# KiCad board Marble.kicad_pcb
note: Michał Gąska & Larry Doolittle; note: Marble Dual FMC Carrier
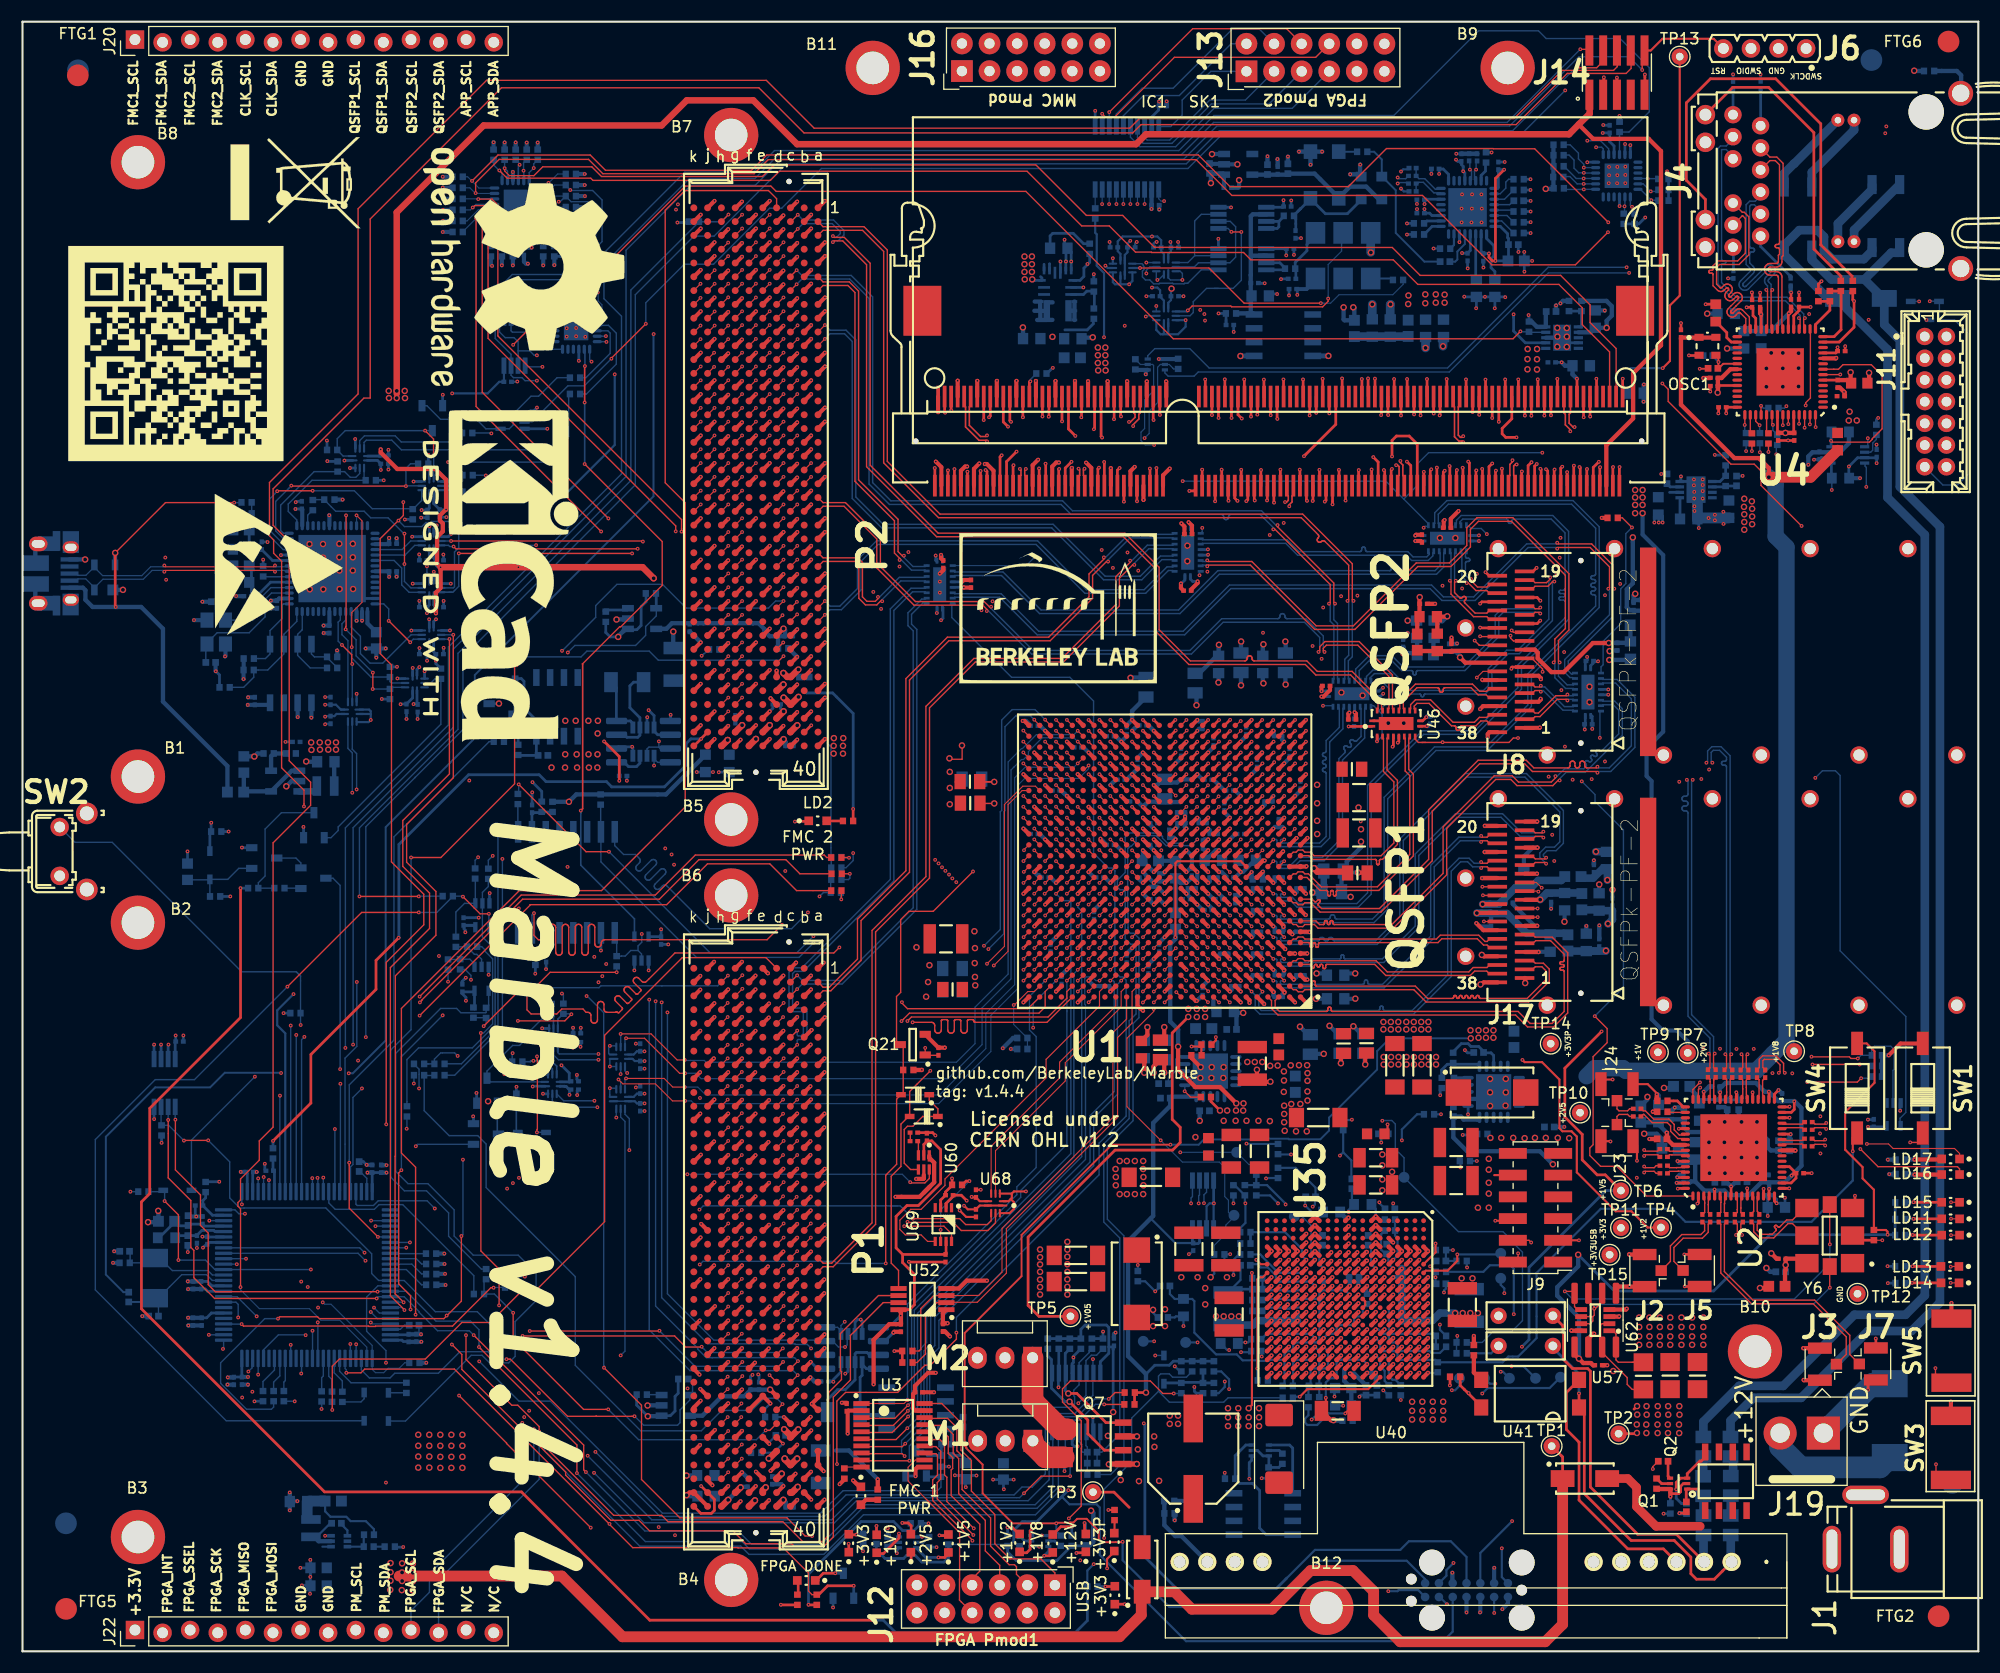
[diagram p0: board, top side]
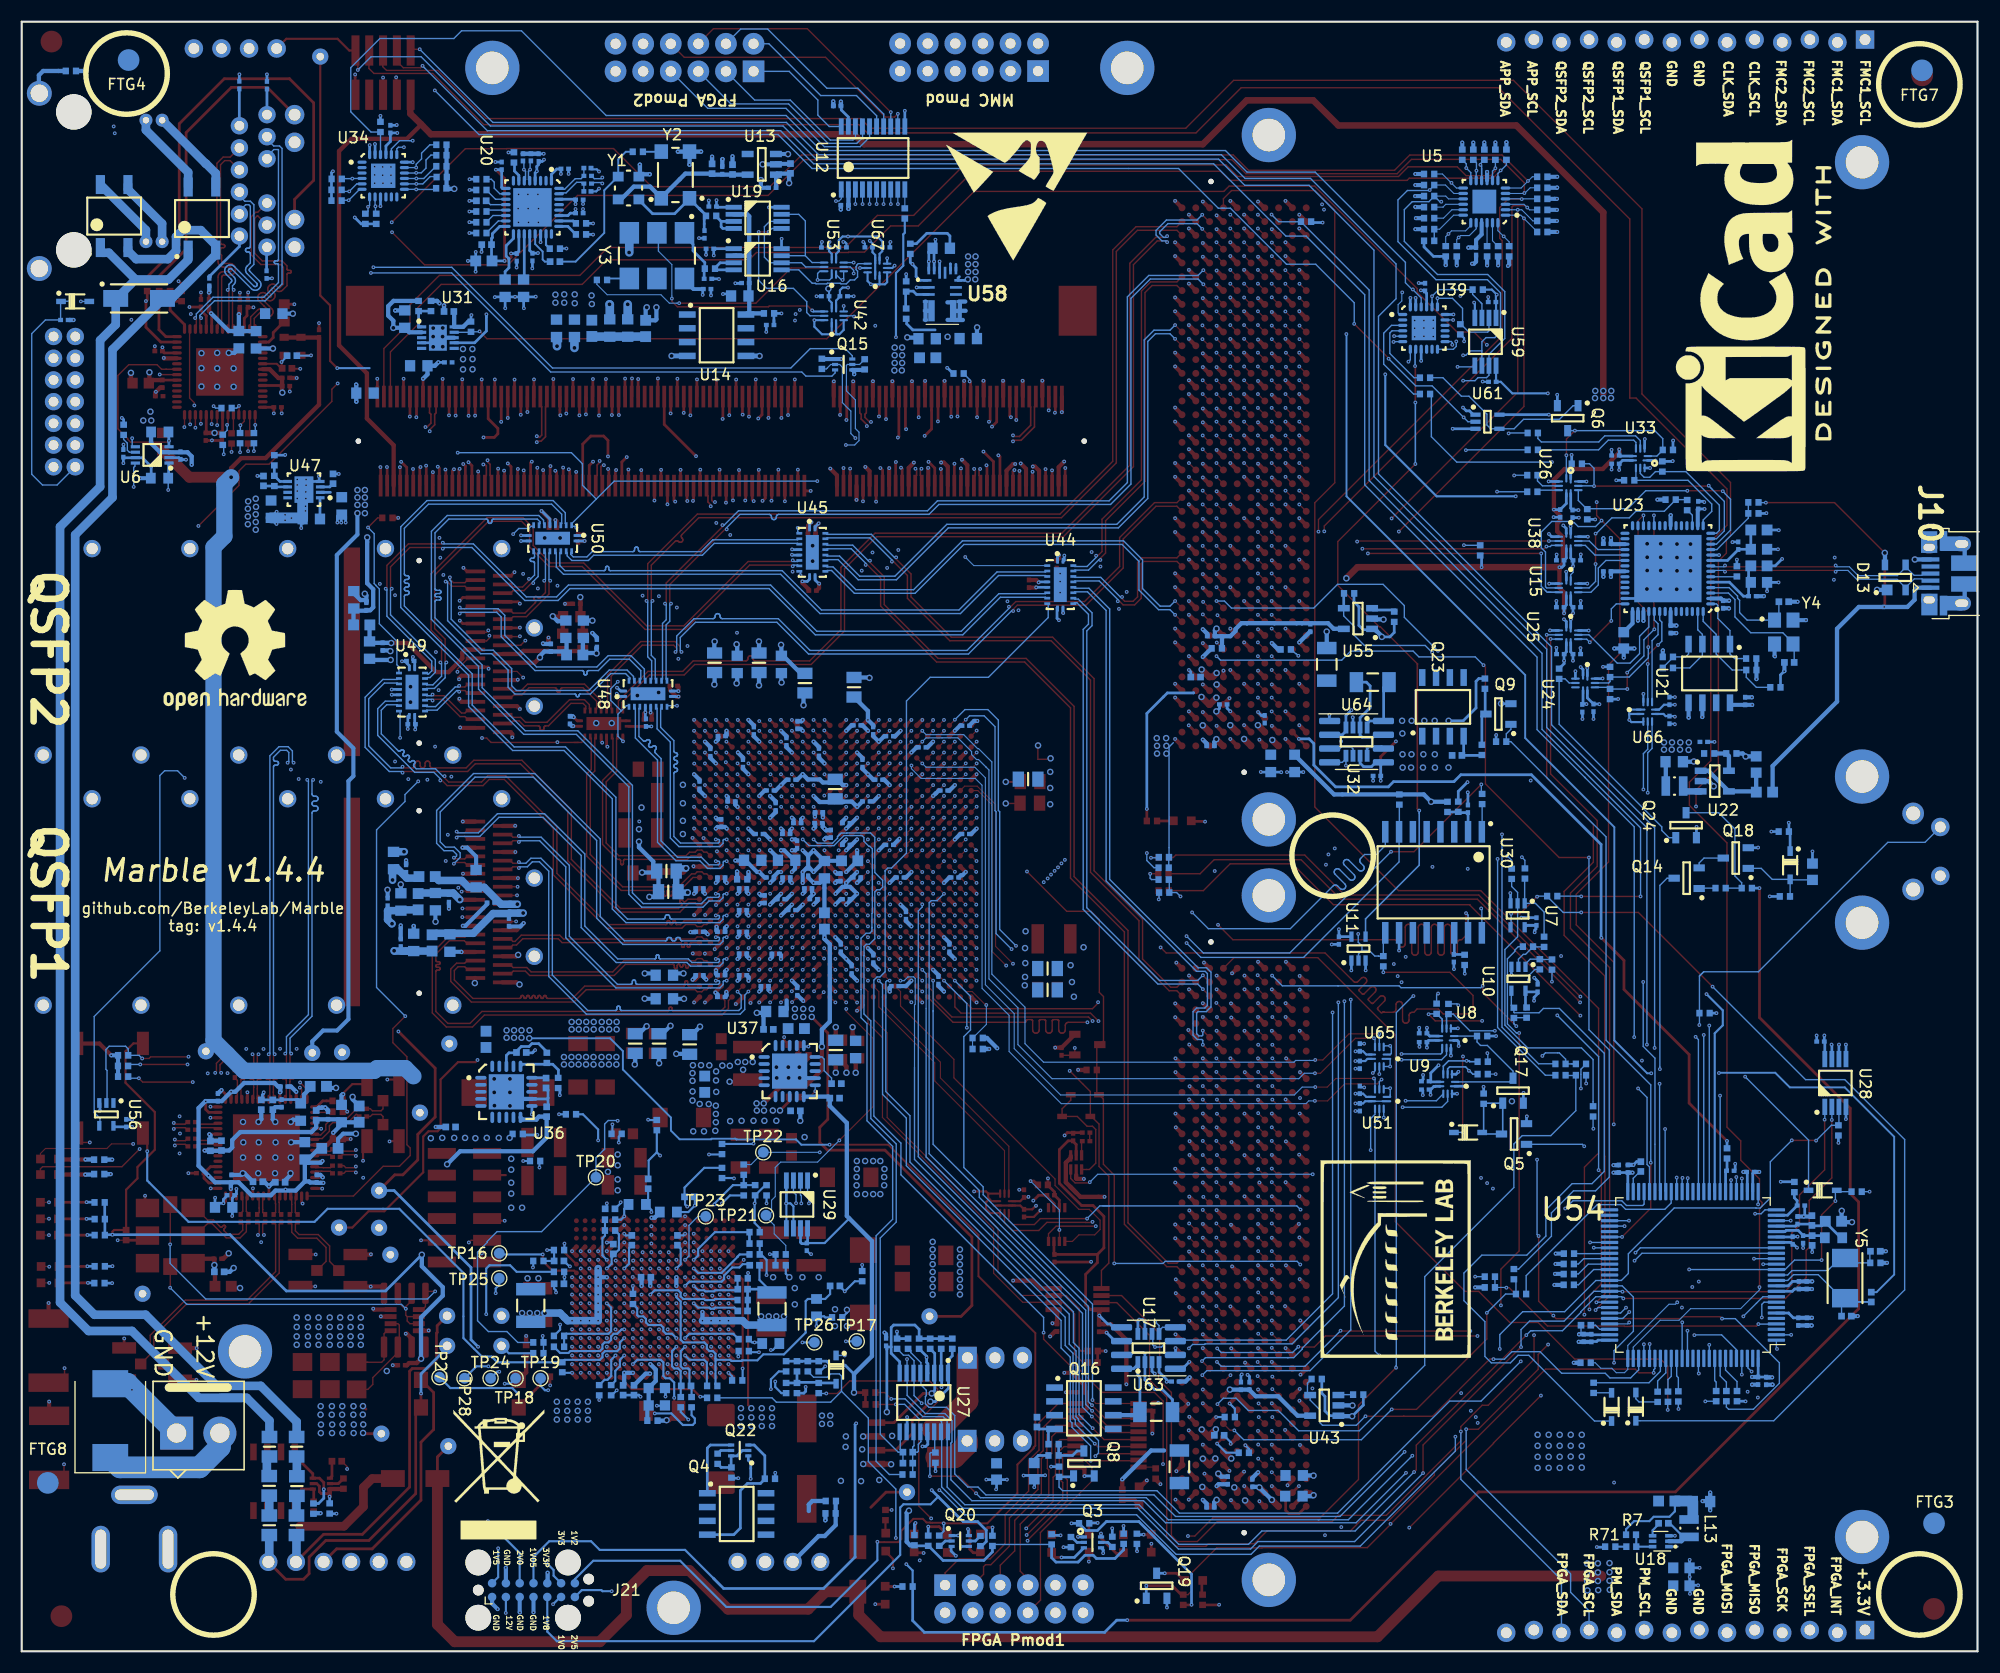
[diagram p1: board, bottom side, seen from below]

Outline 180 x 150 mm; copper layers: Top, GND1.Cu (plane), In2.Cu, GND3.Cu (plane), In4.Cu, GND5.Cu (plane), PWR6.Cu (plane), In7.Cu, GND8.Cu (plane), In9.Cu, GND10.Cu (plane), Bottom. Coordinates in mm from the lower left corner of the outline.
Outline path: 0,150 180,150 180,0 0,0 0,150
Stack: Top 0.035mm / dielectric 0.1055mm FR4 er 4.5 / GND1.Cu 0.035mm / dielectric 0.1055mm FR4 er 4.5 / In2.Cu 0.035mm / dielectric 0.1055mm FR4 er 4.5 / GND3.Cu 0.035mm / dielectric 0.1055mm FR4 er 4.5 / In4.Cu 0.035mm / dielectric 0.1055mm FR4 er 4.5 / GND5.Cu 0.035mm / dielectric 0.1055mm FR4 er 4.5 / PWR6.Cu 0.035mm / dielectric 0.1055mm FR4 er 4.5 / In7.Cu 0.035mm / dielectric 0.1055mm FR4 er 4.5 / GND8.Cu 0.035mm / dielectric 0.1055mm FR4 er 4.5 / In9.Cu 0.035mm / dielectric 0.1055mm FR4 er 4.5 / GND10.Cu 0.035mm / dielectric 0.1055mm FR4 er 4.5 / Bottom 0.035mm

## Placement (name value [footprint] x y rotation side)
B1  PLATED_HOLE3.0_PAD5.0  [MTG300_500]  10.62 80.52 0 top
B2  PLATED_HOLE3.0_PAD5.0  [MTG300_500]  10.62 67.07 0 top
B3  PLATED_HOLE3.0_PAD5.0  [MTG300_500]  10.62 10.52 0 top
B4  PLATED_HOLE3.0_PAD5.0  [MTG300_500]  65.22 6.57 0 top
B5  PLATED_HOLE3.0_PAD5.0  [MTG300_500]  65.22 76.57 0 top
B6  PLATED_HOLE3.0_PAD5.0  [MTG300_500]  65.22 69.57 0 top
B7  PLATED_HOLE3.0_PAD5.0  [MTG300_500]  65.22 139.57 0 top
B8  PLATED_HOLE3.0_PAD5.0  [MTG300_500]  10.62 137.07 0 top
B9  PLATED_HOLE3.0_PAD5.0  [MTG300_500]  136.69 145.75 0 top
B10  PLATED_HOLE3.0_PAD5.0  [MTG300_500]  159.45 27.6 0 top
B11  PLATED_HOLE3.0_PAD5.0  [MTG300_500]  78.25 145.75 0 top
B12  PLATED_HOLE3.0_PAD5.0  [MTG300_500]  120 4 0 top
C1  CC0603_22UF_6.3V_20%_X5R  [CAPC1709X100N]  110.69 58.89 0 bottom
C2  CC1210_100UF_6.3V_20%_X5R  [CAPC3225X270N]  113.18 54.12 270 top
C3  CC0201_470NF_4V_20%_X5R  [CAPC0603X33N]  106.68 76.24 180 bottom
C4  CC0201_470NF_4V_20%_X5R  [CAPC0603X33N]  113.62 66.23 0 bottom
C5  CC0402_100NF_25V_10%_X5R  [CAPC1005X55N]  71.96 89.68 0 bottom
C6  CC1206_22UF_25V_20%_X5R  [CAPC3216X140N]  59.89 90.85 90 bottom
C7  CC0201_100NF_6.3V_10%_X5R  [CAPC0603X33N]  70.58 83.33 0 bottom
C8  CC0201_100NF_6.3V_10%_X5R  [CAPC0603X33N]  69.42 87.16 180 bottom
C9  CC0201_100NF_6.3V_10%_X5R  [CAPC0603X33N]  61.4 94.2 270 bottom
C10  CC0201_100NF_6.3V_10%_X5R  [CAPC0603X33N]  70.53 93.44 0 bottom
C11  CC0201_100NF_6.3V_10%_X5R  [CAPC0603X33N]  65.61 85.79 90 bottom
C12  CC0603_10UF_6.3V_20%_X5R  [CAPC1608X87N]  65.05 81.73 90 bottom
C13  CC0603_10UF_6.3V_20%_X5R  [CAPC1608X87N]  62.85 81.73 90 bottom
C14  CC0201_100NF_6.3V_10%_X5R  [CAPC0603X33N]  115.57 84.24 180 bottom
C15  CC0201_100NF_6.3V_10%_X5R  [CAPC0603X33N]  103.12 85.23 0 bottom
C16  CC0201_100NF_6.3V_10%_X5R  [CAPC0603X33N]  101.11 80.23 0 bottom
C17  CC0201_100NF_6.3V_10%_X5R  [CAPC0603X33N]  108.61 85.26 90 bottom
C18  CC0201_100NF_6.3V_10%_X5R  [CAPC0603X33N]  114.68 78.22 180 bottom
C19  CC0201_100NF_6.3V_10%_X5R  [CAPC0603X33N]  110.61 77.74 270 bottom
C20  CC0201_100NF_6.3V_10%_X5R  [CAPC0603X33N]  80.85 29.76 270 top
C21  CC0201_100NF_6.3V_10%_X5R  [CAPC0603X33N]  84.71 29.78 270 top
C22  CC0603_22UF_6.3V_20%_X5R  [CAPC1709X100N]  144.75 122.63 90 bottom
C23  CC0201_100NF_6.3V_10%_X5R  [CAPC0603X33N]  129.55 85.72 90 bottom
C24  CC0402_1UF_16V_10%_X5R  [CAPC1005X55N]  140.68 123.33 0 bottom
C25  CC0201_100NF_6.3V_10%_X5R  [CAPC0603X33N]  140.74 118.64 0 bottom
C26  CC0603_22UF_6.3V_20%_X5R  [CAPC1709X100N]  143.46 118.33 180 bottom
C27  CC0603_22UF_6.3V_20%_X5R  [CAPC1709X100N]  148.41 115.81 0 bottom
C28  CC0402_1UF_16V_10%_X5R  [CAPC1005X55N]  161.82 34.93 180 bottom
C29  CC0201_100NF_6.3V_10%_X5R  [CAPC0603X33N]  161.95 36.13 180 top
C30  CC0201_100NF_6.3V_10%_X5R  [CAPC0603X33N]  164.36 46.48 180 top
C31  CC0201_100NF_6.3V_10%_X5R  [CAPC0603X33N]  164.37 48.01 180 top
C32  CC0201_100NF_6.3V_10%_X5R  [CAPC0603X33N]  151.04 46.22 0 top
C33  CC0201_100NF_6.3V_10%_X5R  [CAPC0603X33N]  151.05 44.7 0 top
C34  CC0201_100NF_6.3V_10%_X5R  [CAPC0603X33N]  164.36 47.19 180 top
C35  CC0201_100NF_6.3V_10%_X5R  [CAPC0603X33N]  164.37 48.71 180 top
C36  CC0402_1UF_16V_10%_X5R  [CAPC1005X55N]  109.25 136.49 90 bottom
C37  CC0201_100NF_6.3V_10%_X5R  [CAPC0603X33N]  87.3 98.26 90 top
C38  CC0201_100NF_6.3V_10%_X5R  [CAPC0603X33N]  46.9 77.55 90 bottom
C39  CC0201_100NF_6.3V_10%_X5R  [CAPC0603X33N]  48.19 63.8 270 bottom
C40  CC0201_100NF_6.3V_10%_X5R  [CAPC0603X33N]  46.15 128.87 90 bottom
C41  CC0201_100NF_6.3V_10%_X5R  [CAPC0603X33N]  170.65 110.27 90 bottom
C42  CC0603_10UF_6.3V_20%_X5R  [CAPC1608X87N]  156.8 123.13 0 bottom
C43  CC0201_100NF_6.3V_10%_X5R  [CAPC0603X33N]  152.64 121.29 90 top
C44  CC0201_100NF_6.3V_10%_X5R  [CAPC0603X33N]  165.39 110.07 270 bottom
C45  CC0201_100NF_6.3V_10%_X5R  [CAPC0603X33N]  155.69 116.47 180 top
C46  CC0201_100NF_6.3V_10%_X5R  [CAPC0603X33N]  167.35 115.53 0 top
C47  CC0603_10UF_6.3V_20%_X5R  [CAPC1608X87N]  160.02 120.73 90 bottom
C48  CC0201_100NF_6.3V_10%_X5R  [CAPC0603X33N]  163.5 124.09 90 top
C49  CC0201_100NF_6.3V_10%_X5R  [CAPC0603X33N]  159.92 124.06 90 top
C50  CC0201_100NF_6.3V_10%_X5R  [CAPC0603X33N]  155.69 117.23 180 top
C51  CC0201_100NF_6.3V_10%_X5R  [CAPC0603X33N]  162.77 124.09 90 top
C52  CC0201_100NF_6.3V_10%_X5R  [CAPC0603X33N]  159.19 124.06 90 top
C53  CC0201_100NF_6.3V_10%_X5R  [CAPC0603X33N]  167.05 116.67 270 top
C54  CC0201_100NF_6.3V_10%_X5R  [CAPC0603X33N]  156.45 114.51 180 top
C55  CC0201_100NF_6.3V_10%_X5R  [CAPC0603X33N]  167.4 119.68 0 top
C56  CC0201_100NF_6.3V_10%_X5R  [CAPC0603X33N]  163.07 111.8 270 top
C57  CC0603_4.7UF_25V_10%_X5R  [CAPC1709X95N]  169.05 116.73 0 top
C58  CC0201_100NF_6.3V_10%_X5R  [CAPC0603X33N]  157.43 144.16 90 bottom
C59  CC0201_100NF_6.3V_10%_X5R  [CAPC0603X33N]  159.97 144.17 90 bottom
C60  CC0201_100NF_6.3V_10%_X5R  [CAPC0603X33N]  162.73 126.04 270 bottom
C61  CC0402_100NF_25V_10%_X5R  [CAPC1005X55N]  69.78 19.88 180 bottom
C62  CC1206_22UF_25V_20%_X5R  [CAPC3216X140N]  73.45 16.98 270 bottom
C63  CC0201_100NF_6.3V_10%_X5R  [CAPC0603X33N]  70.6 13.24 0 bottom
C64  CC0201_100NF_6.3V_10%_X5R  [CAPC0603X33N]  69 15.73 270 bottom
C65  CC0201_100NF_6.3V_10%_X5R  [CAPC0603X33N]  67.79 24.43 90 bottom
C66  CC0201_100NF_6.3V_10%_X5R  [CAPC0603X33N]  67 24.43 90 bottom
C67  CC0201_100NF_6.3V_10%_X5R  [CAPC0603X33N]  66.74 15.48 90 bottom
C68  CC0603_10UF_6.3V_20%_X5R  [CAPC1608X87N]  62.89 16.18 0 bottom
C69  CC0603_10UF_6.3V_20%_X5R  [CAPC1608X87N]  62.91 14.28 0 bottom
C70  CC0402_1UF_16V_10%_X5R  [CAPC1005X55N]  157.75 107.73 90 bottom
C71  CC0603_10UF_6.3V_20%_X5R  [CAPC1608X87N]  157.05 105.13 90 bottom
C72  CC0603_10UF_6.3V_20%_X5R  [CAPC1608X87N]  153.35 104.23 180 bottom
C73  CC0603_10UF_6.3V_20%_X5R  [CAPC1608X87N]  150.55 105.43 90 bottom
C74  CC0402_1UF_16V_10%_X5R  [CAPC1005X55N]  151.35 107.93 90 bottom
C75  CC0201_100NF_6.3V_10%_X5R  [CAPC0603X33N]  16.25 41.03 180 bottom
C76  CC0603_4.7UF_25V_10%_X5R  [CAPC1709X95N]  27.25 6.03 180 bottom
C77  CC0201_100NF_6.3V_10%_X5R  [CAPC0603X33N]  22.75 44.23 180 bottom
C78  CC0201_100NF_6.3V_10%_X5R  [CAPC0603X33N]  58.77 65.42 270 bottom
C79  CC0201_100NF_6.3V_10%_X5R  [CAPC0603X33N]  161.57 111.8 270 top
C80  CC0201_100NF_6.3V_10%_X5R  [CAPC0603X33N]  110.92 134.71 0 bottom
C81  CC0402_1UF_16V_10%_X5R  [CAPC1005X55N]  114.58 136.39 90 bottom
C82  CC0201_100NF_6.3V_10%_X5R  [CAPC0603X33N]  154.61 39.86 270 top
C83  CC0201_100NF_6.3V_10%_X5R  [CAPC0603X33N]  156.12 39.86 270 top
C84  CC0201_100NF_6.3V_10%_X5R  [CAPC0603X33N]  157.6 39.86 270 top
C85  CC0201_100NF_6.3V_10%_X5R  [CAPC0603X33N]  159.13 39.87 270 top
C86  CC0201_100NF_6.3V_10%_X5R  [CAPC0603X33N]  160.39 53.16 90 top
C87  CC0201_100NF_6.3V_10%_X5R  [CAPC0603X33N]  158.84 53.16 90 top
C88  CC0201_100NF_6.3V_10%_X5R  [CAPC0603X33N]  157.35 53.17 90 top
C89  CC0201_100NF_6.3V_10%_X5R  [CAPC0603X33N]  155.83 53.18 90 top
C90  CC0201_100NF_6.3V_10%_X5R  [CAPC0603X33N]  113.4 125.95 0 bottom
C91  CC0201_100NF_6.3V_10%_X5R  [CAPC0603X33N]  115.52 136.31 90 bottom
C92  CC0402_150PF_50V_5%_C0G  [CAPC1005X55N]  12.06 30.85 180 bottom
C93  CC0402_22PF_50V_5%_C0G  [CAPC1005X55N]  9.4 36.82 180 bottom
C94  CC0201_100NF_6.3V_10%_X5R  [CAPC0603X33N]  155.33 39.86 270 top
C95  CC0201_100NF_6.3V_10%_X5R  [CAPC0603X33N]  156.82 39.86 270 top
C96  CC0201_100NF_6.3V_10%_X5R  [CAPC0603X33N]  158.33 39.86 270 top
C97  CC0201_100NF_6.3V_10%_X5R  [CAPC0603X33N]  159.85 39.86 270 top
C98  CC0201_100NF_6.3V_10%_X5R  [CAPC0603X33N]  159.64 53.16 90 top
C99  CC0201_100NF_6.3V_10%_X5R  [CAPC0603X33N]  158.13 53.16 90 top
C100  CC0201_100NF_6.3V_10%_X5R  [CAPC0603X33N]  156.65 53.18 90 top
C101  CC0201_100NF_6.3V_10%_X5R  [CAPC0603X33N]  155.12 53.19 90 top
C102  CC0402_100PF_50V_5%_C0G  [CAPC1005X55N]  9.78 32.6 90 bottom
C103  CC0201_100NF_6.3V_10%_X5R  [CAPC0603X33N]  144.24 91.16 180 bottom
C104  CC0201_100NF_6.3V_10%_X5R  [CAPC0603X33N]  107.21 97.63 180 top
C105  CC0201_470NF_4V_20%_X5R  [CAPC0603X33N]  99.15 71.23 180 bottom
C106  CC0603_22UF_6.3V_20%_X5R  [CAPC1709X100N]  113.91 124.76 0 bottom
C107  CC0402_10NF_16V_10%_X7R  [CAPC1005X55N]  116.46 136.47 90 bottom
C108  CC0201_100NF_6.3V_10%_X5R  [CAPC0603X33N]  116.84 126.33 180 bottom
C109  CC0201_100NF_6.3V_10%_X5R  [CAPC0603X33N]  117.16 130.42 270 bottom
C110  CC0201_100NF_6.3V_10%_X5R  [CAPC0603X33N]  111.12 122.08 0 bottom
C111  CC0603_22UF_6.3V_20%_X5R  [CAPC1709X100N]  124.23 121.8 90 bottom
C112  CC0201_100NF_6.3V_10%_X5R  [CAPC0603X33N]  116.66 129.1 0 bottom
C113  CC0603_22UF_6.3V_20%_X5R  [CAPC1709X100N]  125.88 121.8 90 bottom
C114  CC0402_2.2NF_50V_10%_X7R  [CAPC1005X55N]  130.92 127.92 0 bottom
C115  CC0201_100NF_6.3V_10%_X5R  [CAPC0603X33N]  116.92 125.39 180 bottom
C116  CC0201_100NF_6.3V_10%_X5R  [CAPC0603X33N]  128.68 133.62 180 bottom
C117  CC0201_100NF_6.3V_10%_X5R  [CAPC0603X33N]  116.41 132.99 0 bottom
C118  CC0603_22UF_6.3V_20%_X5R  [CAPC1709X100N]  129.13 121.78 270 bottom
C119  CC0603_22UF_6.3V_20%_X5R  [CAPC1709X100N]  130.78 121.78 270 bottom
C120  CC0603_22UF_6.3V_20%_X5R  [CAPC1709X100N]  133.81 125.47 270 bottom
C121  CC0603_22UF_6.3V_20%_X5R  [CAPC1709X100N]  135.51 125.47 270 bottom
C122  CC0201_100NF_6.3V_10%_X5R  [CAPC0603X33N]  132.42 137.49 90 bottom
C123  CC0402_1UF_16V_10%_X5R  [CAPC1005X55N]  137.21 129.48 0 bottom
C124  CC0201_100NF_6.3V_10%_X5R  [CAPC0603X33N]  128.68 132.38 180 bottom
C125  CC0201_100NF_6.3V_10%_X5R  [CAPC0603X33N]  133 128.34 270 bottom
C126  CC0201_100NF_6.3V_10%_X5R  [CAPC0603X33N]  134.44 128.31 270 bottom
C127  100uF  [CP_EIA-7343-30_AVX-N]  115.65 18.63 270 top
C128  CC0402_100NF_25V_10%_X5R  [CAPC1005X55N]  153.13 13.3 270 top
C129  CC0603_4.7UF_25V_10%_X5R  [CAPC1709X95N]  27.25 7.68 180 bottom
C130  CC0402_100NF_25V_10%_X5R  [CAPC1005X55N]  28.9 11.78 180 bottom
C131  CC0402_100NF_25V_10%_X5R  [CAPC1005X55N]  151 17.49 180 top
C132  CC0603_22UF_6.3V_20%_X5R  [CAPC1709X100N]  25.4 13.78 180 bottom
C134  CC0402_100NF_25V_10%_X5R  [CAPC1005X55N]  86.56 21.1 270 bottom
C135  CC0402_100NF_25V_10%_X5R  [CAPC1005X55N]  47.9 82.46 180 bottom
C136  CC0201_100NF_6.3V_10%_X5R  [CAPC0603X33N]  73.82 24.83 180 bottom
C137  CC0201_470NF_4V_20%_X5R  [CAPC0603X33N]  95.63 61.76 270 bottom
C138  CC0603_4.7UF_25V_10%_X5R  [CAPC1608X90N]  121.55 24.23 180 bottom
C139  CC0402_1UF_16V_10%_X5R  [CAPC1005X55N]  131.69 49.67 90 bottom
C140  CC0402_2.2UF_6.3V_10%_X5R  [CAPC1005X55N]  125.55 37.03 270 bottom
C141  CC0201_100NF_6.3V_10%_X5R  [CAPC0603X33N]  148.6 49.94 0 top
C142  CC0402_1UF_16V_10%_X5R  [CAPC1005X55N]  108.79 49.75 180 bottom
C143  CC0402_1UF_16V_10%_X5R  [CAPC1005X55N]  134.02 55.12 180 bottom
C144  CC0402_2.2UF_6.3V_10%_X5R  [CAPC1005X55N]  113.65 31.33 0 bottom
C145  CC0402_1UF_16V_10%_X5R  [CAPC1005X55N]  105.18 50.92 180 bottom
C146  CC0603_22UF_6.3V_20%_X5R  [CAPC1709X100N]  120.85 62.23 0 bottom
C147  CC0402_100NF_25V_10%_X5R  [CAPC1005X55N]  124.65 24.03 90 bottom
C148  CC0402_2.2UF_6.3V_10%_X5R  [CAPC1005X55N]  122.55 34.43 180 bottom
C149  CC0402_100NF_25V_10%_X5R  [CAPC1005X55N]  123.65 24.03 90 bottom
C150  CC0402_1UF_16V_10%_X5R  [CAPC1005X55N]  118.85 24.43 180 bottom
C151  CC0402_1UF_16V_10%_X5R  [CAPC1005X55N]  130.55 33.83 180 bottom
C152  CC0402_1UF_16V_10%_X5R  [CAPC1005X55N]  113.65 33.33 0 bottom
C153  CC1210_22UF_25V_10%_X5R  [CAPC3225X270N]  133.15 31.83 270 bottom
C154  CC1210_22UF_25V_10%_X5R  [CAPC3225X270N]  111.05 31.03 270 top
C155  CC1210_22UF_25V_10%_X5R  [CAPC3225X270N]  110.95 31.53 270 bottom
C156  CC1210_22UF_25V_10%_X5R  [CAPC3225X270N]  132.52 31.91 270 top
C157  CC0402_100NF_25V_10%_X5R  [CAPC1005X55N]  130.55 35.93 180 bottom
C158  CC0402_100NF_25V_10%_X5R  [CAPC1005X55N]  123.85 37.83 270 bottom
C159  CC0402_100NF_25V_10%_X5R  [CAPC1005X55N]  119.65 37.83 270 bottom
C160  CC0402_100NF_25V_10%_X5R  [CAPC1005X55N]  112.55 35.53 0 bottom
C161  CC1206_47UF_10V_10%_X5R  [CAPC3216X180N]  124.55 42.93 180 top
C162  CC0603_4.7UF_25V_10%_X5R  [CAPC1709X95N]  20.37 81.63 90 bottom
C163  CC0201_100NF_6.3V_10%_X5R  [CAPC0603X33N]  21.38 87.47 90 bottom
C164  CC0201_100NF_6.3V_10%_X5R  [CAPC0603X33N]  25.7 105.5 90 bottom
C165  CC0402_22PF_50V_5%_C0G  [CAPC1005X55N]  17.83 96.61 180 bottom
C166  CC0201_100NF_6.3V_10%_X5R  [CAPC0603X33N]  25.19 83.71 180 bottom
C167  CC0603_4.7UF_25V_10%_X5R  [CAPC1709X95N]  20.11 98.39 180 bottom
C168  CC0603_4.7UF_25V_10%_X5R  [CAPC1709X95N]  20.11 101.44 180 bottom
C169  CC0201_100NF_6.3V_10%_X5R  [CAPC0603X33N]  23.42 96.36 270 bottom
C170  CC0201_100NF_6.3V_10%_X5R  [CAPC0603X33N]  28.24 94.07 270 bottom
C171  CC0402_22PF_50V_5%_C0G  [CAPC1005X55N]  17.32 91.02 0 bottom
C172  CC0603_22UF_6.3V_20%_X5R  [CAPC1709X100N]  27.91 81.88 180 bottom
C173  CC0603_4.7UF_25V_10%_X5R  [CAPC1709X95N]  32.56 93.06 270 bottom
C174  CC0201_100NF_6.3V_10%_X5R  [CAPC0603X33N]  20.72 97.12 180 bottom
C175  CC0201_100NF_6.3V_10%_X5R  [CAPC0603X33N]  22.02 101.77 90 bottom
C176  CC0201_100NF_6.3V_10%_X5R  [CAPC0603X33N]  34.08 101.95 0 bottom
C177  CC0201_100NF_6.3V_10%_X5R  [CAPC0603X33N]  34.08 99.41 0 bottom
C178  CC0201_100NF_6.3V_10%_X5R  [CAPC0603X33N]  35.34 86.85 270 bottom
C179  CC0201_100NF_6.3V_10%_X5R  [CAPC0603X33N]  36.37 86.81 270 bottom
C180  CC0201_100NF_6.3V_10%_X5R  [CAPC0603X33N]  36.88 91.79 180 bottom
C181  CC0201_100NF_6.3V_10%_X5R  [CAPC0603X33N]  38.39 91.79 0 bottom
C182  CC0201_100NF_6.3V_10%_X5R  [CAPC0603X33N]  37.27 104.7 270 bottom
C183  CC0201_100NF_6.3V_10%_X5R  [CAPC0603X33N]  33.32 109.31 0 bottom
C184  CC0201_100NF_6.3V_10%_X5R  [CAPC0603X33N]  36.88 100.42 180 bottom
C185  CC0201_100NF_6.3V_10%_X5R  [CAPC0603X33N]  38.4 104.74 270 bottom
C186  CC0201_100NF_6.3V_10%_X5R  [CAPC0603X33N]  33.32 110.07 0 bottom
C187  CC0201_100NF_6.3V_10%_X5R  [CAPC0603X33N]  38.4 100.42 0 bottom
C188  CC0402_1NF_50V_10%_X7R  [CAPC1005X55N]  98.45 18.33 180 bottom
C189  CC0402_1NF_50V_10%_X7R  [CAPC1005X55N]  98.45 17.31 180 bottom
C190  CC0201_100NF_6.3V_10%_X5R  [CAPC0603X33N]  100.45 28.46 90 bottom
C191  CC0201_100NF_6.3V_10%_X5R  [CAPC0603X33N]  14.45 56.12 180 bottom
C192  CC0201_100NF_6.3V_10%_X5R  [CAPC0603X33N]  107.75 37.23 90 bottom
C193  CC0201_100NF_6.3V_10%_X5R  [CAPC0603X33N]  176.07 122.55 180 bottom
C194  CC1206_47UF_10V_10%_X5R  [CAPC3216X180N]  111.25 46.03 270 top
C195  CC1210_100UF_6.3V_20%_X5R  [CAPC3225X270N]  131.95 46.83 180 top
C196  CC0201_100NF_6.3V_10%_X5R  [CAPC0603X33N]  130.02 136.46 180 bottom
C197  CC0201_100NF_6.3V_10%_X5R  [CAPC0603X33N]  33 44.42 90 bottom
C198  CC0201_100NF_6.3V_10%_X5R  [CAPC0603X33N]  20.9 44.12 180 bottom
C199  CC0201_100NF_6.3V_10%_X5R  [CAPC0603X33N]  16.57 39.67 90 bottom
C200  CC0201_100NF_6.3V_10%_X5R  [CAPC0603X33N]  15.69 30.34 270 bottom
C201  CC0201_100NF_6.3V_10%_X5R  [CAPC0603X33N]  16.49 30.34 270 bottom
C202  CC0201_100NF_6.3V_10%_X5R  [CAPC0603X33N]  15.72 33.7 270 bottom
C203  CC0201_100NF_6.3V_10%_X5R  [CAPC0603X33N]  20.19 24.9 270 bottom
C204  CC0201_100NF_6.3V_10%_X5R  [CAPC0603X33N]  35.53 28.83 90 bottom
C205  CC0201_100NF_6.3V_10%_X5R  [CAPC0603X33N]  17.02 37.81 90 bottom
C206  CC0201_100NF_6.3V_10%_X5R  [CAPC0603X33N]  16.44 33.7 270 bottom
C207  CC0201_100NF_6.3V_10%_X5R  [CAPC0603X33N]  36.24 28.84 90 bottom
C208  CC0201_100NF_6.3V_10%_X5R  [CAPC0603X33N]  32.19 44.42 90 bottom
C209  CC0201_100NF_6.3V_10%_X5R  [CAPC0603X33N]  19.45 24.88 270 bottom
C210  CC0201_100NF_6.3V_10%_X5R  [CAPC0603X33N]  135.83 136.73 90 bottom
C211  CC0201_100NF_6.3V_10%_X5R  [CAPC0603X33N]  50.82 51.7 0 bottom
C212  CC0201_100NF_6.3V_10%_X5R  [CAPC0603X33N]  51.03 56.07 0 bottom
C213  CC0201_100NF_6.3V_10%_X5R  [CAPC0603X33N]  51.03 56.89 0 bottom
C214  CC0201_100NF_6.3V_10%_X5R  [CAPC0603X33N]  50.82 52.47 0 bottom
C215  CC0201_100NF_6.3V_10%_X5R  [CAPC0603X33N]  146.07 140.11 90 bottom
C216  CC0201_470NF_4V_20%_X5R  [CAPC0603X33N]  106.63 77.23 0 bottom
C217  CC0201_100NF_6.3V_10%_X5R  [CAPC0603X33N]  113.62 64.23 0 bottom
C218  CC0201_100NF_6.3V_10%_X5R  [CAPC0603X33N]  104.64 71.24 270 bottom
C219  CC0201_100NF_6.3V_10%_X5R  [CAPC0603X33N]  113.62 68.23 0 bottom
C220  CC0201_100NF_6.3V_10%_X5R  [CAPC0603X33N]  105.53 75.25 90 bottom
C221  CC0201_100NF_6.3V_10%_X5R  [CAPC0603X33N]  113.62 62.23 0 bottom
C222  CC0603_22UF_6.3V_20%_X5R  [CAPC1709X100N]  106.12 71.95 90 bottom
C223  CC0201_470NF_4V_20%_X5R  [CAPC0603X33N]  108.62 76.23 0 bottom
C224  CC0201_100NF_6.3V_10%_X5R  [CAPC0603X33N]  107.62 71.73 90 bottom
C225  CC0603_22UF_6.3V_20%_X5R  [CAPC1709X100N]  120.85 60.06 0 bottom
C226  CC0201_470NF_4V_20%_X5R  [CAPC0603X33N]  109.64 75.23 0 bottom
C227  CC0201_470NF_4V_20%_X5R  [CAPC0603X33N]  108.64 74.26 90 bottom
C228  CC0201_470NF_4V_20%_X5R  [CAPC0603X33N]  115.62 66.23 180 bottom
C229  CC0201_470NF_4V_20%_X5R  [CAPC0603X33N]  109.62 71.23 0 bottom
C230  CC0201_100NF_6.3V_10%_X5R  [CAPC0603X33N]  117.62 62.23 0 bottom
C231  CC0201_470NF_4V_20%_X5R  [CAPC0603X33N]  107.62 70.23 180 bottom
C232  CC0201_100NF_6.3V_10%_X5R  [CAPC0603X33N]  117.62 66.23 0 bottom
C233  CC0805_4.7UF_10V_10%_X5R  [CAPC2012X135N]  120.66 71.82 0 bottom
C234  CC0201_100NF_6.3V_10%_X5R  [CAPC0603X33N]  117.62 70.23 0 bottom
C235  CC0805_4.7UF_10V_10%_X5R  [CAPC2012X135N]  122.86 71.64 0 top
C236  CC0201_100NF_6.3V_10%_X5R  [CAPC0603X33N]  115.62 60.23 180 bottom
C237  CC0805_4.7UF_10V_10%_X5R  [CAPC2012X135N]  120.49 69.92 0 bottom
C238  CC0201_100NF_6.3V_10%_X5R  [CAPC0603X33N]  115.62 62.23 180 bottom
C239  CC1210_100UF_6.3V_20%_X5R  [CAPC3225X270N]  84.99 65.58 180 top
C240  CC0805_4.7UF_10V_10%_X5R  [CAPC2012X135N]  87.2 80.05 180 top
C241  CC0805_4.7UF_10V_10%_X5R  [CAPC2012X135N]  85.59 60.88 180 bottom
C242  CC0805_4.7UF_10V_10%_X5R  [CAPC2012X135N]  85.59 62.85 180 bottom
C243  CC0805_4.7UF_10V_10%_X5R  [CAPC2012X135N]  85.6 60.92 180 top